# Altium PCB Main.PcbDoc
Units mil, origin at the board's own origin, x right, y up, seen from the top; angles counter-clockwise.
Board outline 6000 x 4000 mil, 4 copper layers (Top Layer, GND, PWR, Bottom Layer), stack 23.756 mil thick; 82 components, 58 nets, 330 pads, 163 vias.
Unrouted connection lines stored in the file: 1.
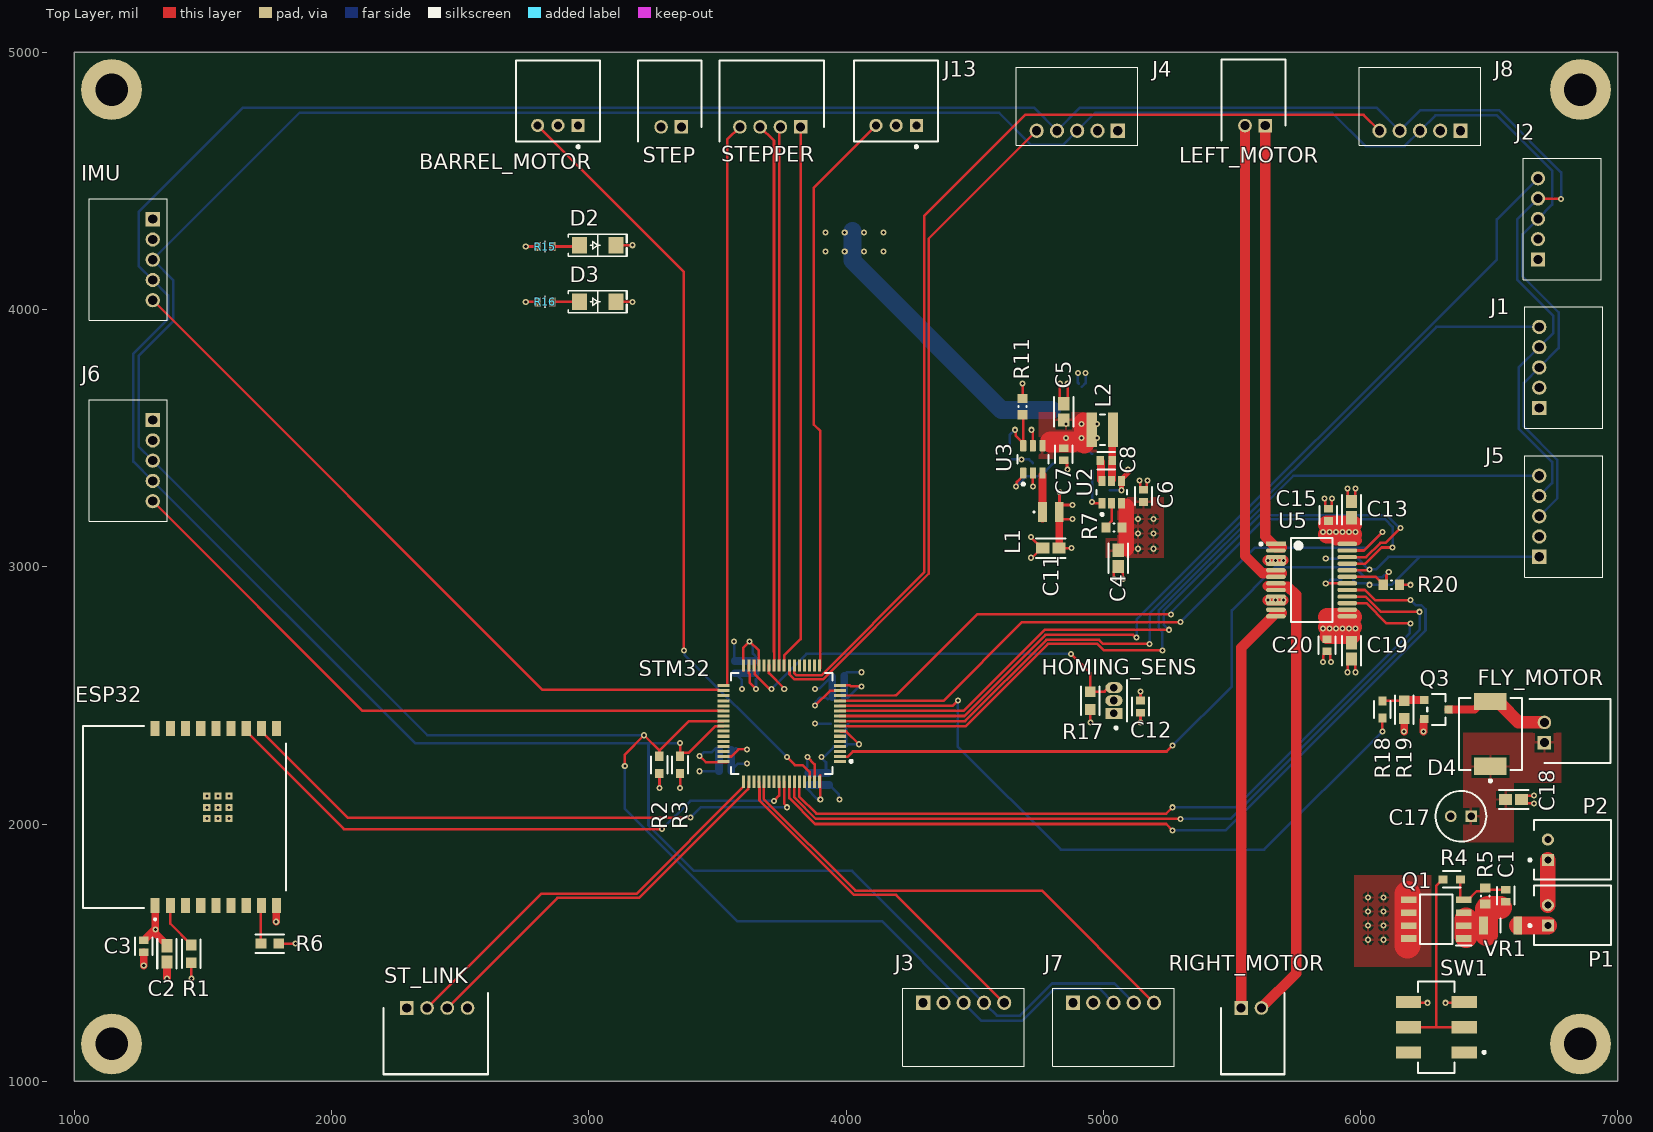
[diagram p0: Top Layer view]
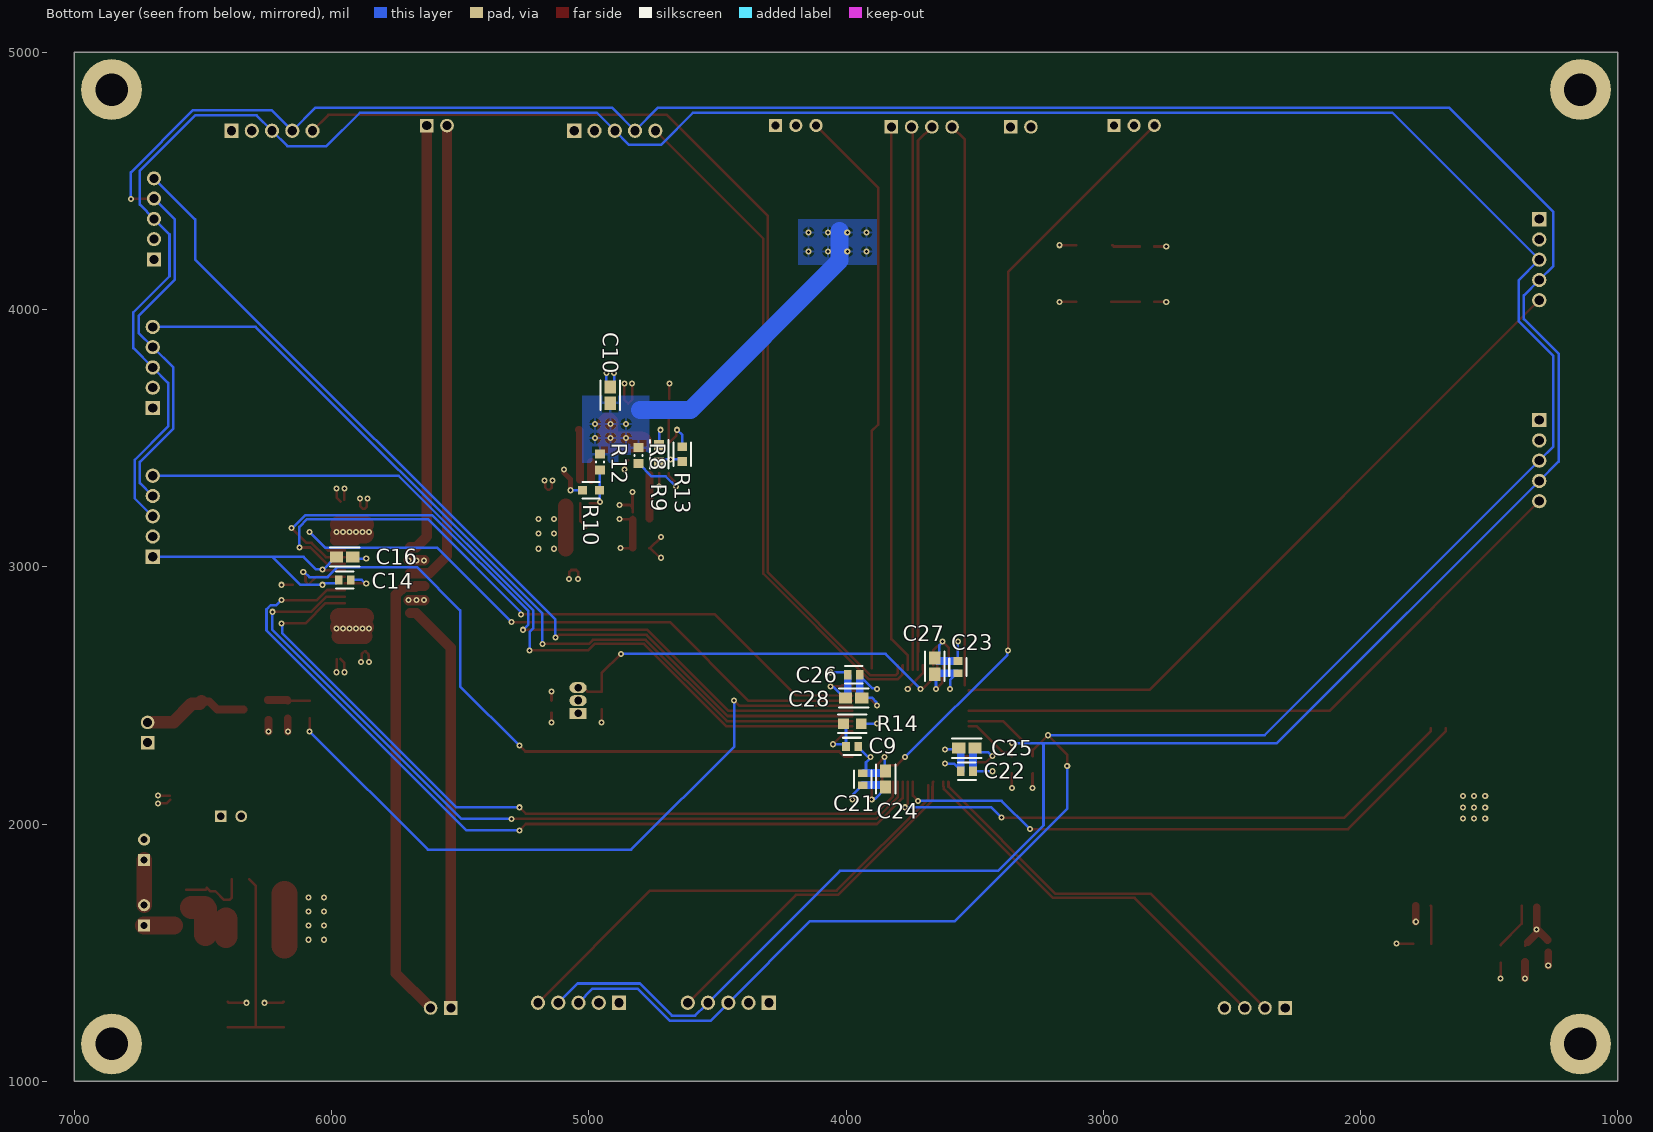
[diagram p1: Bottom Layer view, seen from below]
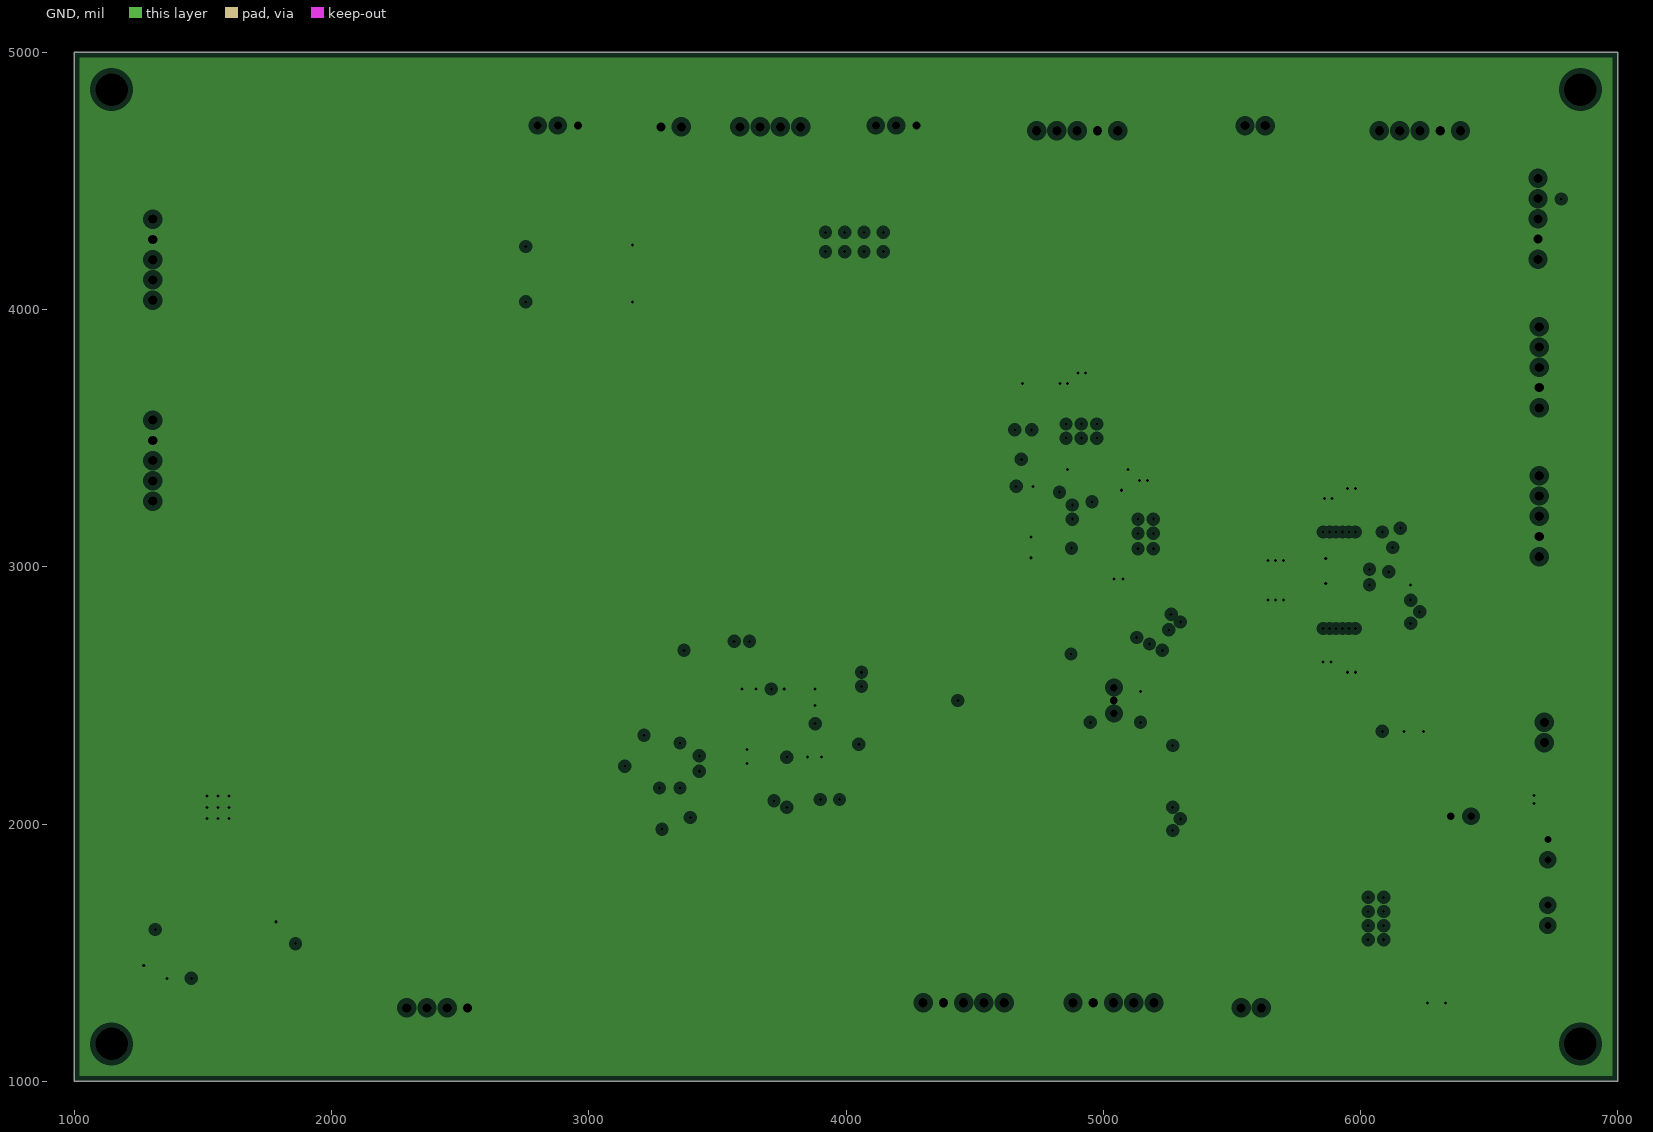
[diagram p2: GND, clearances drawn from the general rule]
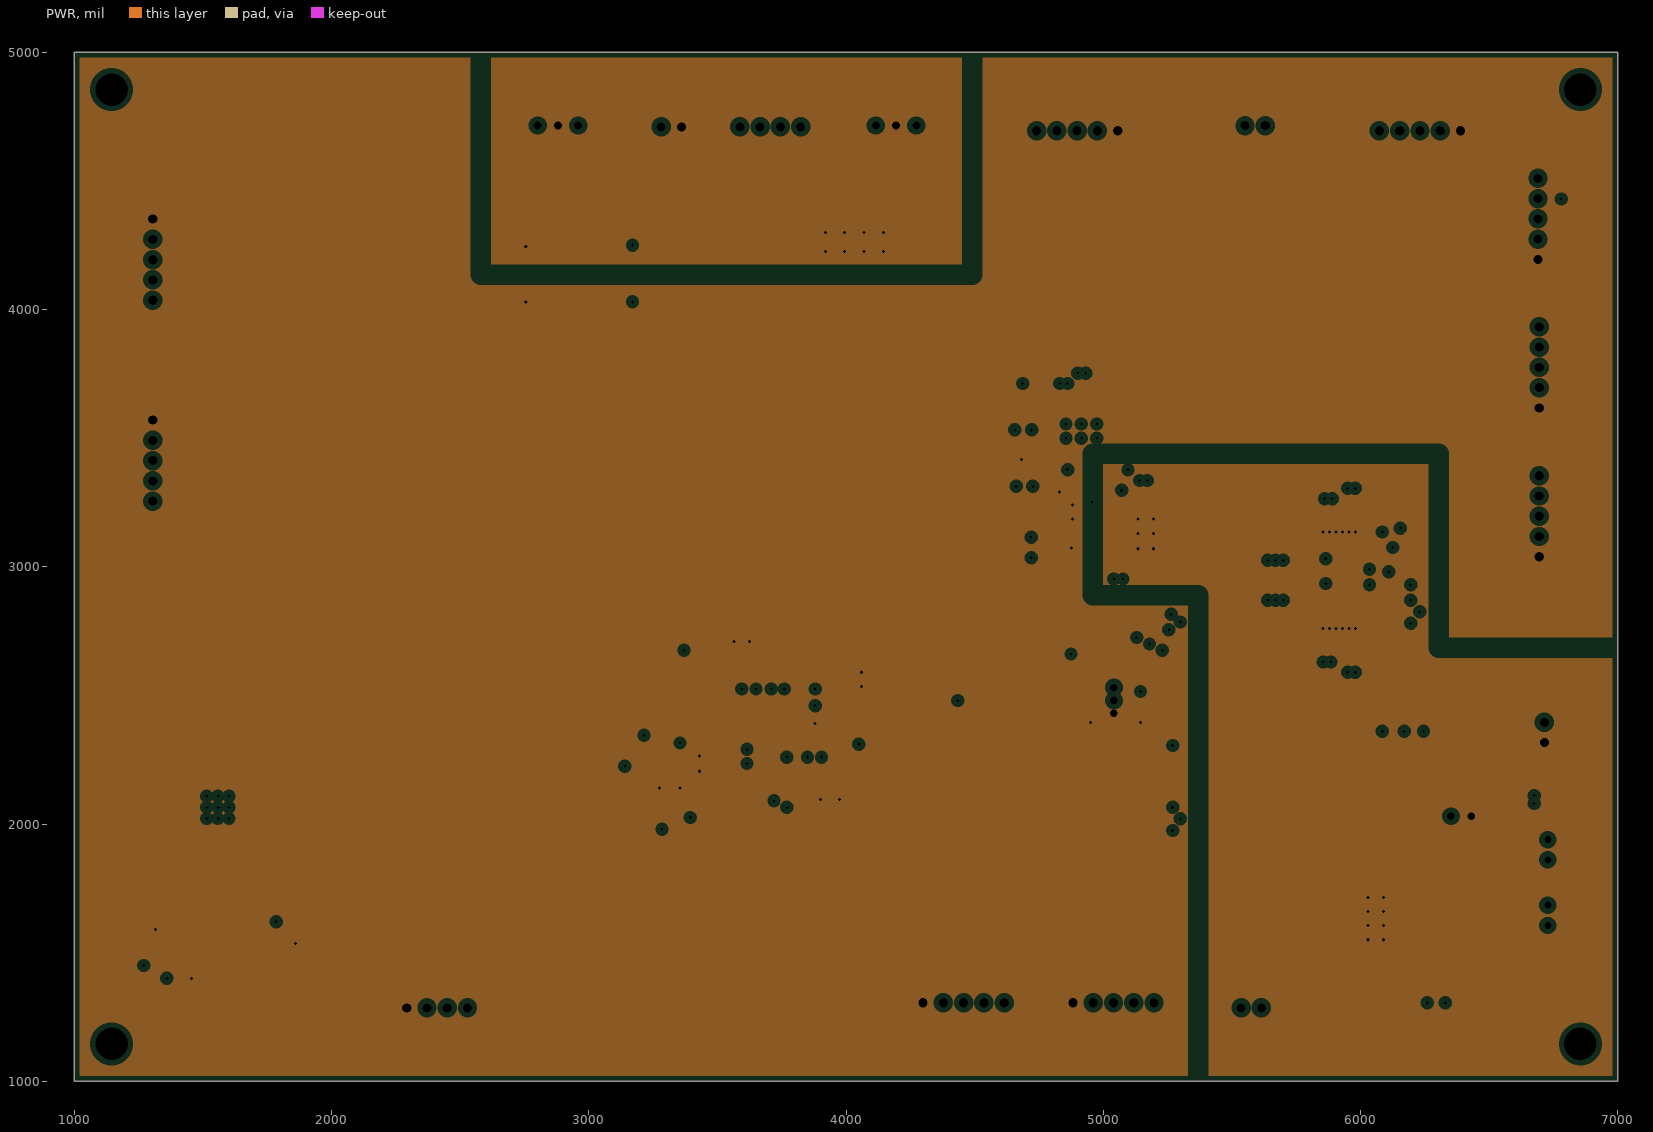
[diagram p3: PWR, clearances drawn from the general rule]
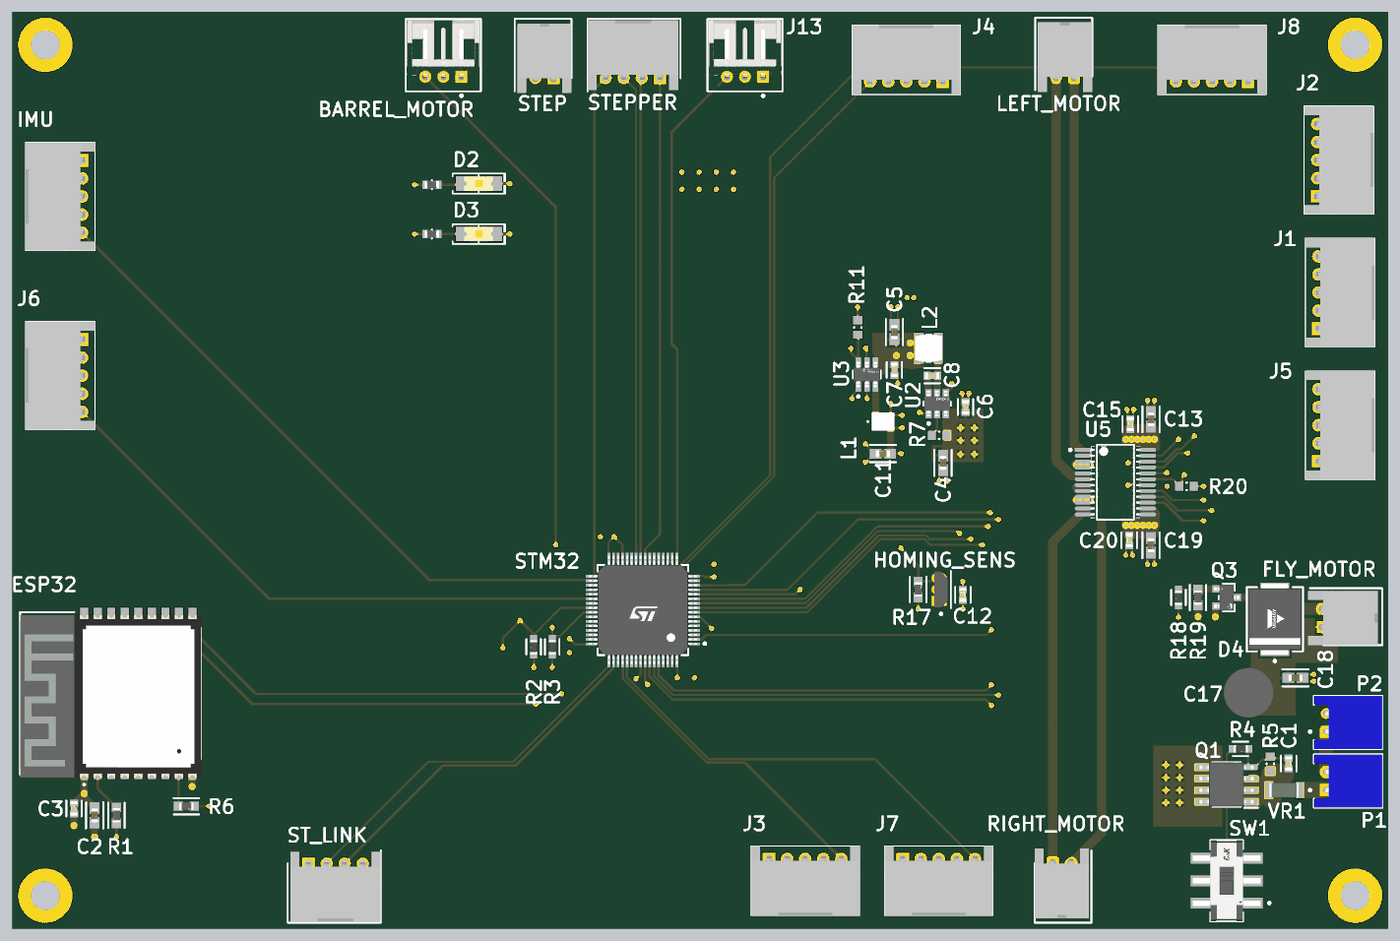
[diagram p4: 3D render of the assembled board from above, using the file's embedded part models]
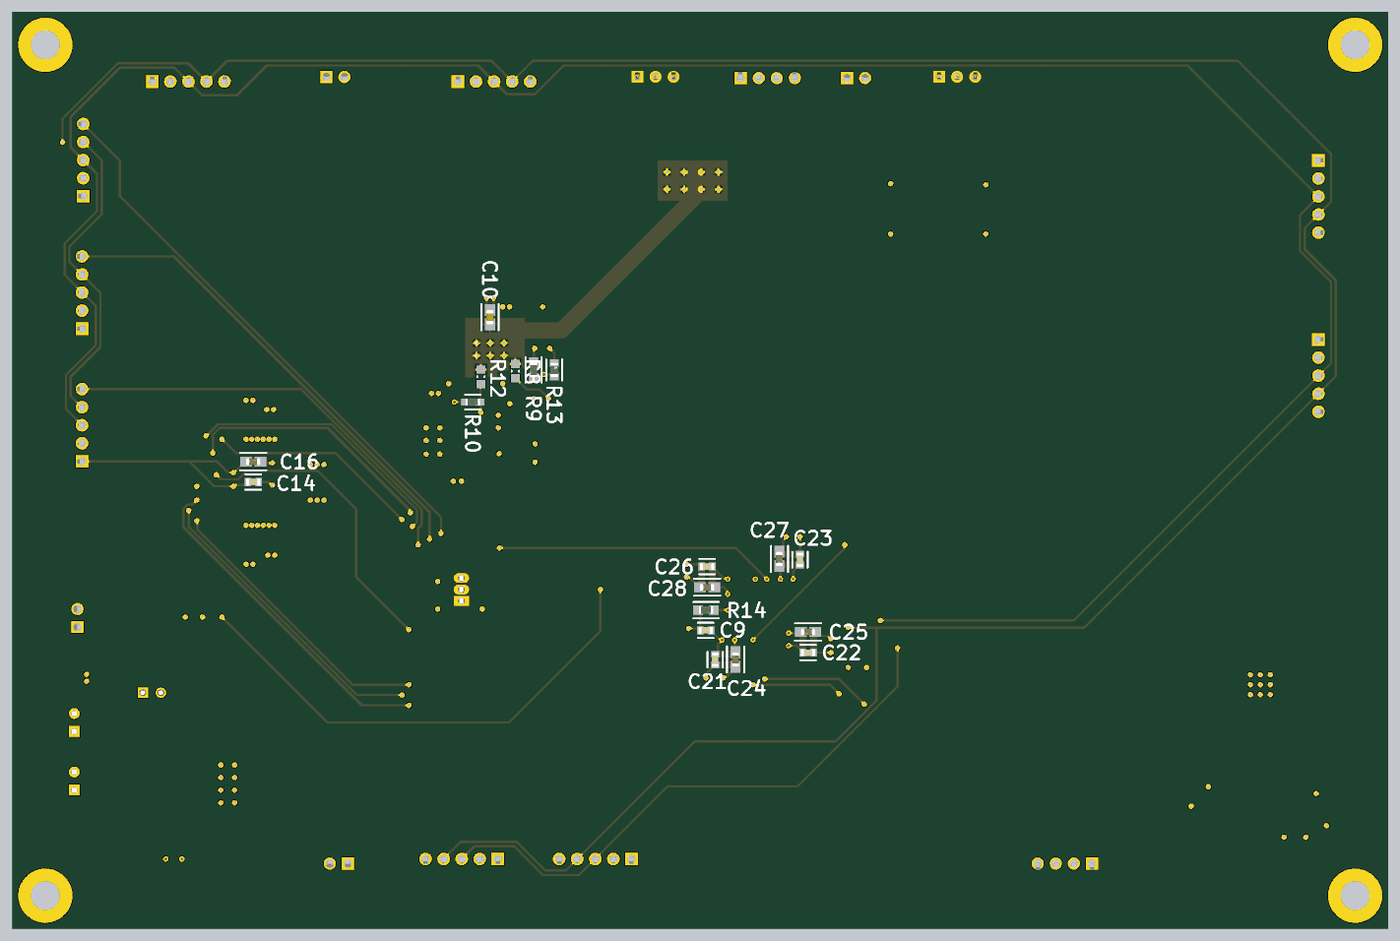
[diagram p5: 3D render of the assembled board from below, using the file's embedded part models]

## Layer stack, top to bottom
Top Solder: solder mask 0.4, Solder Resist, Dk 3.5
Top Layer: signal copper 1.4
Dielectric 2: prepreg 2.8, PP-006, Dk 4.1
GND: plane copper 1.378, net GND
Dielectric 1: dielectric 12.6, FR-4, Dk 4.8
PWR: plane copper 1.378, net (Multiple Nets)
Dielectric 3: prepreg 2.8, PP-006, Dk 4.1
Bottom Layer: signal copper 1.4
Bottom Solder: solder mask 0.4, Solder Resist, Dk 3.5

## Board outline
1000,1000 7000,1000 7000,5000 1000,5000

## Design rules (kind name [scope] priority, off if disabled: settings)
Clearance Clearance_2 [InNetClass('STM_IO') vs InNetClass('STM_IO')] p1: gap=6 ignorepadtopadclearanceinfootprint=FALSE
Clearance Clearance_1 [All] p2: gap=10 ignorepadtopadclearanceinfootprint=FALSE
PlaneClearance [All] p1: clearance=20
PlaneConnect [All] p1: planeconnectstyle=Relief reliefexpansion=20 reliefentries=4 reliefconductorwidth=10 reliefairgap=10
PolygonConnect [All] p1: connectstyle=Relief reliefconductorwidth=10 reliefentries=4 polygonreliefangle="90 Angle" airgapwidth=10
RoutingVias [All] p1: holewidth=28 width=50 viastyle="Through Hole" minholewidth=28 minwidth=50 maxholewidth=28 maxwidth=50
SolderMaskExpansion [All] p1: expansion=4 istentingtop=FALSE
SupplyNets "Schematic Supply Nets" [InNet('GND')] p1: voltage=0.000
Width [All] p1: maxlimit=10 minlimit=10 preferedwidth=10
28 further rules are at their usual default settings.

## Classes and differential pairs
net class STM_IO: BARREL_PWM ESP_TO_STM HOME_SENSE IMU M_LFT_1 M_LFT_2 M_LFT_PWM M_RGT_1 M_RGT_2 M_RGT_PWM MOTOR_EN PUSHER_PWM Stepper1 Stepper2 Stepper3 Stepper4 STM_TO_ESP SWCLK SWDIO TOF_B TOF_FL TOF_FR TOF_LB TOF_LF TOF_RB TOF_RF TOF_T TRIGGER

## Components (designator, comment, footprint, x,y, rotation, side; value= is the part's Value field where it differs from the comment)
BARREL_MOTOR "440055-3" FP-440055-3-MFG 2880,4810 r0 top
C1 "0.1uF" FP-C0603C-CF-MFG 6565,1721.38 r90 top value="100 pF"
C2 "10uF" FP-GRM188-0_2-IPC_A 1360,1495 r270 top
C3 "0.1uF" FP-C0603C-CF-MFG 1270,1525 r270 top value="100 pF"
C4 "10uF" FP-GRM188-0_2-IPC_A 5058.39,3032.5 r270 top
C5 "10uF" FP-GRM188-0_2-IPC_A 4846.51,3602.5 r90 top
C6 "0.1uF" FP-C0603C-CF-MFG 5156.51,3275.29 r90 top value="100 pF"
C7 "0.1uF" FP-C0603C-CF-MFG 4846.51,3437.5 r270 top value="100 pF"
C8 "0.1uF" FP-C0603C-CF-MFG 5011.51,3412.5 r0 top value="100 pF"
C9 "0.1uF" FP-C0603C-CF-MFG 3976.38,2301.82 r180 bottom value="100 pF"
C10 "22uF" FP-GRM188-0_2-IPC_A 4916.51,3667.5 r90 bottom
C11 "22uF" FP-GRM188-0_2-IPC_A 4796.51,3072.5 r180 top
C12 "0.1uF" FP-C0603C-CF-MFG 5145,2456.38 r90 top value="100 pF"
C13 "10uF" FP-GRM188-0_2-IPC_A 5965,3222.11 r90 top
C14 "0.1uF" FP-C0603C-CF-MFG 5948.79,2948.89 r180 bottom value="100 pF"
C15 "0.1uF" FP-C0603C-CF-MFG 5875,3201.4 r90 top value="100 pF"
C16 "10uF" FP-GRM188-0_2-IPC_A 5948.79,3037.77 r180 bottom
C17 "100uF" CAPPRD200W55D500H1250 6430,2030 r180 top
C18 "10uF" FP-GRM188-0_2-IPC_A 6595,2095 r0 top
C19 "10uF" FP-GRM188-0_2-IPC_A 5965,2672.89 r270 top
C20 "0.1uF" FP-C0603C-CF-MFG 5870,2695 r270 top value="100 pF"
C21 "0.1uF" FP-C0603C-CF-MFG 3935,2173.62 r90 bottom value="100 pF"
C22 "0.1uF" FP-C0603C-CF-MFG 3530,2205 r0 bottom value="100 pF"
C23 "0.1uF" FP-C0603C-CF-MFG 3565,2610 r270 bottom value="100 pF"
C24 "10uF" FP-GRM188-0_2-IPC_A 3846.01,2175 r90 bottom
C25 "10uF" FP-GRM188-0_2-IPC_A 3530,2295 r0 bottom
C26 "0.1uF" FP-C0603C-CF-MFG 3970,2580 r180 bottom value="100 pF"
C27 "10uF" FP-GRM188-0_2-IPC_A 3655,2613.48 r270 bottom
C28 "10uF" FP-GRM188-0_2-IPC_A 3970,2490 r180 bottom
D2 "Yellow" "LED 1206_3216 YELLOW" 3035,4250 r0 top
D3 "Yellow" "LED 1206_3216 YELLOW" 3035,4030 r0 top
D4 "SS34" FP-SMC-MFG 6505,2350.05 r90 top
ESP32 "ESP32-C3-WROOM-02-N4" ESP32C3WROOM02N4 1558.31,2064.93 r90 top
FLY_MOTOR "440055-2" SHDRRA2W50P0X200_1X2_600X770X525P 6715,2316.26 r270 top
HOMING_SENS "DRV5032FALPG" FP-LPG0003A-MFG 5050,2480 r90 top
IMU "440055-5" 4400555 1305,4351.22 r270 top
J1 "440055-5" 4400555 6695,3617.52 r90 top
J2 "440055-5" 4400555 6690,4195 r90 top
J3 "440055-5" 4400555 4300.04,1305 r0 top
J4 "440055-5" 4400555 5056.22,4695 r180 top
J5 "440055-5" 4400555 6695,3038.78 r90 top
J6 "440055-5" 4400555 1305,3569.96 r270 top
J7 "440055-5" 4400555 4882.52,1305 r0 top
J8 "440055-5" 4400555 6388.74,4695 r180 top
J13 "440055-3" FP-440055-3-MFG 4195,4810 r0 top
L1 "2.2uH" VLS2520 4796.51,3212.5 r0 top
L2 "10uH" VLS3012 4996.51,3532.5 r180 top
LEFT_MOTOR "440055-2" SHDRRA2W50P0X200_1X2_600X770X525P 5629.92,4715 r0 top
P1 "BattConn1" JST-S2B-PH-K-S_V 6825,1645 r90 top
P2 "BattConn0" JST-S2B-PH-K-S_V 6825,1900 r90 top
Q1 "RS3E075AT" SOIC127P600X175-8N 6294.28,1630 r180 top
Q3 "AO3400A" FP-SOT23-MFG 6295,2445 r0 top
R1 "10k" FP-AC0603-IPC_A 1455,1495 r270 top
R2 "2.2k" FP-RT0603-MFG 3273.84,2230 r270 top value=2.2KΩ
R3 "2.2k" FP-RT0603-MFG 3355,2230 r270 top value=2.2KΩ
R4 "100" FP-RT0603-MFG 6355,1785 r0 top value=100Ω
R5 "100k" RESC0603(1608)_N 6485,1720 r270 top value="100000.00 Ohm"
R6 "10k" FP-AC0603-IPC_A 1760,1535 r0 top
R7 "100k" RESC0603(1608)_N 5041.51,3152.5 r0 top value="100000.00 Ohm"
R8 "100k" RESC0603(1608)_N 4806.51,3432.5 r90 bottom value="100000.00 Ohm"
R9 "10k" FP-AC0603-IPC_A 4726.51,3437.5 r270 bottom
R10 "19.1k" FP-AC0603-MFG 4991.51,3297.5 r180 bottom
R11 "100k" RESC0603(1608)_N 4686.51,3622.5 r270 top value="100000.00 Ohm"
R12 "100k" RESC0603(1608)_N 4956.51,3407.5 r90 bottom value="100000.00 Ohm"
R13 "453k" FP-MCT0603-IPC_B 4636.51,3437.5 r90 bottom
R14 "10k" FP-AC0603-IPC_A 3975,2390 r180 bottom
R15 "1k" FP-ERA3A-MFG 2830,4245 r0 top
R16 "1k" FP-ERA3A-MFG 2830,4030 r0 top
R17 "10k" FP-AC0603-IPC_A 4950,2480 r90 top
R18 "100" FP-RT0603-MFG 6085,2445 r270 top value=100Ω
R19 "10k" FP-AC0603-IPC_A 6170.05,2445 r270 top
R20 "100k" RESC0603(1608)_N 6120,2930 r180 top value="100000.00 Ohm"
RIGHT_MOTOR "440055-2" SHDRRA2W50P0X200_1X2_600X770X525P 5536.26,1285 r180 top
ST_LINK "440055-4" SHDRRA4W50P15X200_1X4_1000X770X525P 2292.52,1285 r180 top
STEP "440055-2" SHDRRA2W50P0X200_1X2_600X770X525P 3360,4710 r0 top
STEPPER "440055-4" SHDRRA4W50P15X200_1X4_1000X770X525P 3823.74,4710 r0 top
STM32 "STM32G474RET6" FP-LQFP64-5W-MFG 3750,2390.4 r180 top
SW1 "JS202011SCQN" FP-JS202011SCQN-MFG 6295,1210 r90 top
U2 "AP63200WU-7" FP-TSOT26-MFG 5032.92,3290.43 r90 top
U3 "TLV62568PDDCT" FP-DDC0006A-MFG 4726.51,3417.5 r90 top
U5 "TB6612FNG,C,8,EL" FP-SSOP24-P-300-0_65A-IPC_A 5810,2948.2 r0 top
VR1 "P-TCO-N400_12-2" THRMC3216X110N 6545.19,1605 r180 top

## Footprints (in the part's own frame and the unit in brackets; to place one, negate y for a bottom-side part, rotate by r counter-clockwise, add the part's x,y. Pads: shape width x height; smd on the part's side, far side on the other; paste and mask are expansions set on the pad)
4400555 [mm]
  rect 1.4x1.4 hole 0.9: 1(0,0)
  round 1.4 hole 0.9: 2(2,0) 3(4,0) 4(6,0) 5(8,0)
  silkscreen extent -2,-6.25 10,1.45, body extent -2,-6.25 10,1.45, height 4.88
CAPPRD200W55D500H1250 [mm]
  rect 1.15x1.15 hole 0.75: 1(0,0)
  round 1.15 hole 0.75: 2(2,0)
  silkscreen extent -1.5,-2.5 3.5,2.5, body extent -1.74,-2.75 3.75,2.75, height 12.5
ESP32C3WROOM02N4 [mm]
  rect 1.5x0.9 smd: 1(-9.71,6.2) 2(-9.71,4.7) 3(-9.71,3.2) 4(-9.71,1.7) 5(-9.71,0.2) 6(-9.71,-1.3) 7(-9.71,-2.8) 8(-9.71,-4.3) 9(-9.71,-5.8) 10(7.79,-5.8) 11(7.79,-4.3) 12(7.79,-2.8) 13(7.79,-1.3) 14(7.79,0.2) 15(7.79,1.7) 16(7.79,3.2) 17(7.79,4.7) 18(7.79,6.2)
  rect 0.7x0.7 smd: 19(0,0) 20(1.1,0) 21(1.1,1.1) 22(0,1.1) 23(-1.1,1.1) 24(-1.1,0) 25(-1.1,-1.1) 26(0,-1.1) 27(1.1,-1.1)
  silkscreen extent -11.16,-6.7 8.04,13.3, body extent -10.31,-6.7 7.69,13.3, height 3.2
FP-440055-3-MFG [mm]
  rect 1.3x1.3 hole 0.8 paste-2539.97 mask+0: 1(2,-2.4)
  round 1.3 hole 0.8 paste-2539.97 mask+0: 2(0,-2.4) 3(-2,-2.4)
  silkscreen extent -4.15,-4.62 4.15,4, body extent -4.25,-4.1 4.25,4.1, height 0.25
FP-AC0603-IPC_A [mil]
  rect 41.68x39.85 smd paste+0 mask+0: 1(-34.52,0) 2(34.52,0)
  silkscreen extent -55,-36 55,36, body extent -75,-40 75,40, height 10
FP-AC0603-MFG [mm]
  rect 0.9x0.8 smd paste+0 mask+0: 1(-0.85,0) 2(0.85,0)
  silkscreen extent -0.85,-0.82 0.85,0.82, body extent -0.8,-0.4 0.8,0.4, height 0.55
FP-C0603C-CF-MFG [mm]
  rect 0.75x0.9 smd paste+0 mask+0: 1(-0.6,0) 2(0.6,0)
  silkscreen extent -0.87,-0.85 0.88,0.85, body extent -1.2,-0.6 1.2,0.6, height 0.25
FP-DDC0006A-MFG [mm]
  rrect17% 1.1x0.6 smd paste+0 mask+0: 1(-1.35,0.95) 2(-1.35,0) 3(-1.35,-0.95) 4(1.35,-0.95) 5(1.35,0) 6(1.35,0.95)
  silkscreen extent -2.57,-1.53 0.43,1.52, body extent -2,-1.63 2,1.63, height 0.25
FP-ERA3A-MFG [mm]
  rect 0.65x0.9 smd paste+0 mask+0: 1(-0.725,0) 2(0.725,0)
  silkscreen extent 0,-0.5 0,0.5, body extent -1.15,-0.6 1.15,0.6, height 0.25
FP-GRM188-0_2-IPC_A [mil]
  rect 51.38x43.55 smd paste+0 mask+0: 1(-31.52,0) 2(31.52,0)
  silkscreen extent -57,-38 57,38, body extent -77,-41 77,41, height 10
FP-JS202011SCQN-MFG [mm]
  rect 1.2x2.5 smd paste+0 mask+0: 1(-2.5,-2.75) 2(0,-2.75) 3(2.5,-2.75) 4(-2.5,2.75) 5(0,2.75) 6(2.5,2.75)
  silkscreen extent -4.5,-4.85 4.5,1.8, body extent -4.6,-4.1 4.6,4.1, height 0.25
FP-LPG0003A-MFG [mm]
  rect 1.07x1.7 hole 0.75 paste-2539.97 mask+0: 1(-1.27,0.217)
  rrect100% 1.07x1.7 hole 0.75 paste-2539.97 mask+0: 2(0,0.217) 3(1.27,0.217)
  silkscreen extent -2.82,-1.07 2.05,0.12, body extent -2.15,-0.91 2.15,1.17, height 0.25
FP-LQFP64-5W-MFG [mm]
  rect 1.2x0.3 smd paste+0 mask+0: 1(-5.75,3.75) 2(-5.75,3.25) 3(-5.75,2.75) 4(-5.75,2.25) 5(-5.75,1.75) 6(-5.75,1.25) 7(-5.75,0.75) 8(-5.75,0.25) 9(-5.75,-0.25) 10(-5.75,-0.75) 11(-5.75,-1.25) 12(-5.75,-1.75) 13(-5.75,-2.25) 14(-5.75,-2.75) 15(-5.75,-3.25) 16(-5.75,-3.75) 33(5.75,-3.75) 34(5.75,-3.25) 35(5.75,-2.75) 36(5.75,-2.25) 37(5.75,-1.75) 38(5.75,-1.25) 39(5.75,-0.75) 40(5.75,-0.25) 41(5.75,0.25) 42(5.75,0.75) 43(5.75,1.25) 44(5.75,1.75) 45(5.75,2.25) 46(5.75,2.75) 47(5.75,3.25) 48(5.75,3.75)
  rect 0.3x1.2 smd paste+0 mask+0: 17(-3.75,-5.75) 18(-3.25,-5.75) 19(-2.75,-5.75) 20(-2.25,-5.75) 21(-1.75,-5.75) 22(-1.25,-5.75) 23(-0.75,-5.75) 24(-0.25,-5.75) 25(0.25,-5.75) 26(0.75,-5.75) 27(1.25,-5.75) 28(1.75,-5.75) 29(2.25,-5.75) 30(2.75,-5.75) 31(3.25,-5.75) 32(3.75,-5.75) 49(3.75,5.75) 50(3.25,5.75) 51(2.75,5.75) 52(2.25,5.75) 53(1.75,5.75) 54(1.25,5.75) 55(0.75,5.75) 56(0.25,5.75) 57(-0.25,5.75) 58(-0.75,5.75) 59(-1.25,5.75) 60(-1.75,5.75) 61(-2.25,5.75) 62(-2.75,5.75) 63(-3.25,5.75) 64(-3.75,5.75)
  silkscreen extent -6.98,-5 5,5, body extent -6.45,-6.45 6.45,6.45, height 0.25
FP-MCT0603-IPC_B [mil]
  rect 34x37.88 smd paste+0 mask+0: 1(-28.72,0) 2(28.72,0)
  silkscreen extent -46,-35 46,35, body extent -31,-17 31,17, height 22
FP-RT0603-MFG [mm]
  rect 0.9x0.8 smd paste+0 mask+0: 1(-0.85,0) 2(0.85,0)
  silkscreen extent -0.85,-0.81 0.86,0.8, body extent -1.4,-0.55 1.4,0.55, height 0.25
FP-SMC-MFG [mm]
  rect 1.72x3.2 smd paste+0 mask+0: 1(-3.205,0) 2(3.205,0)